# Altium PCB knixx_SW4_00.PcbDoc
Units mm, origin at the board's own origin, x right, y up, seen from the top; angles counter-clockwise.
Board outline 37.47 x 37.34 mm, 4 copper layers (Top Layer, L2, L3, Bottom Layer), stack 1.551 mm thick; 90 components, 65 nets, 319 pads, 111 vias.
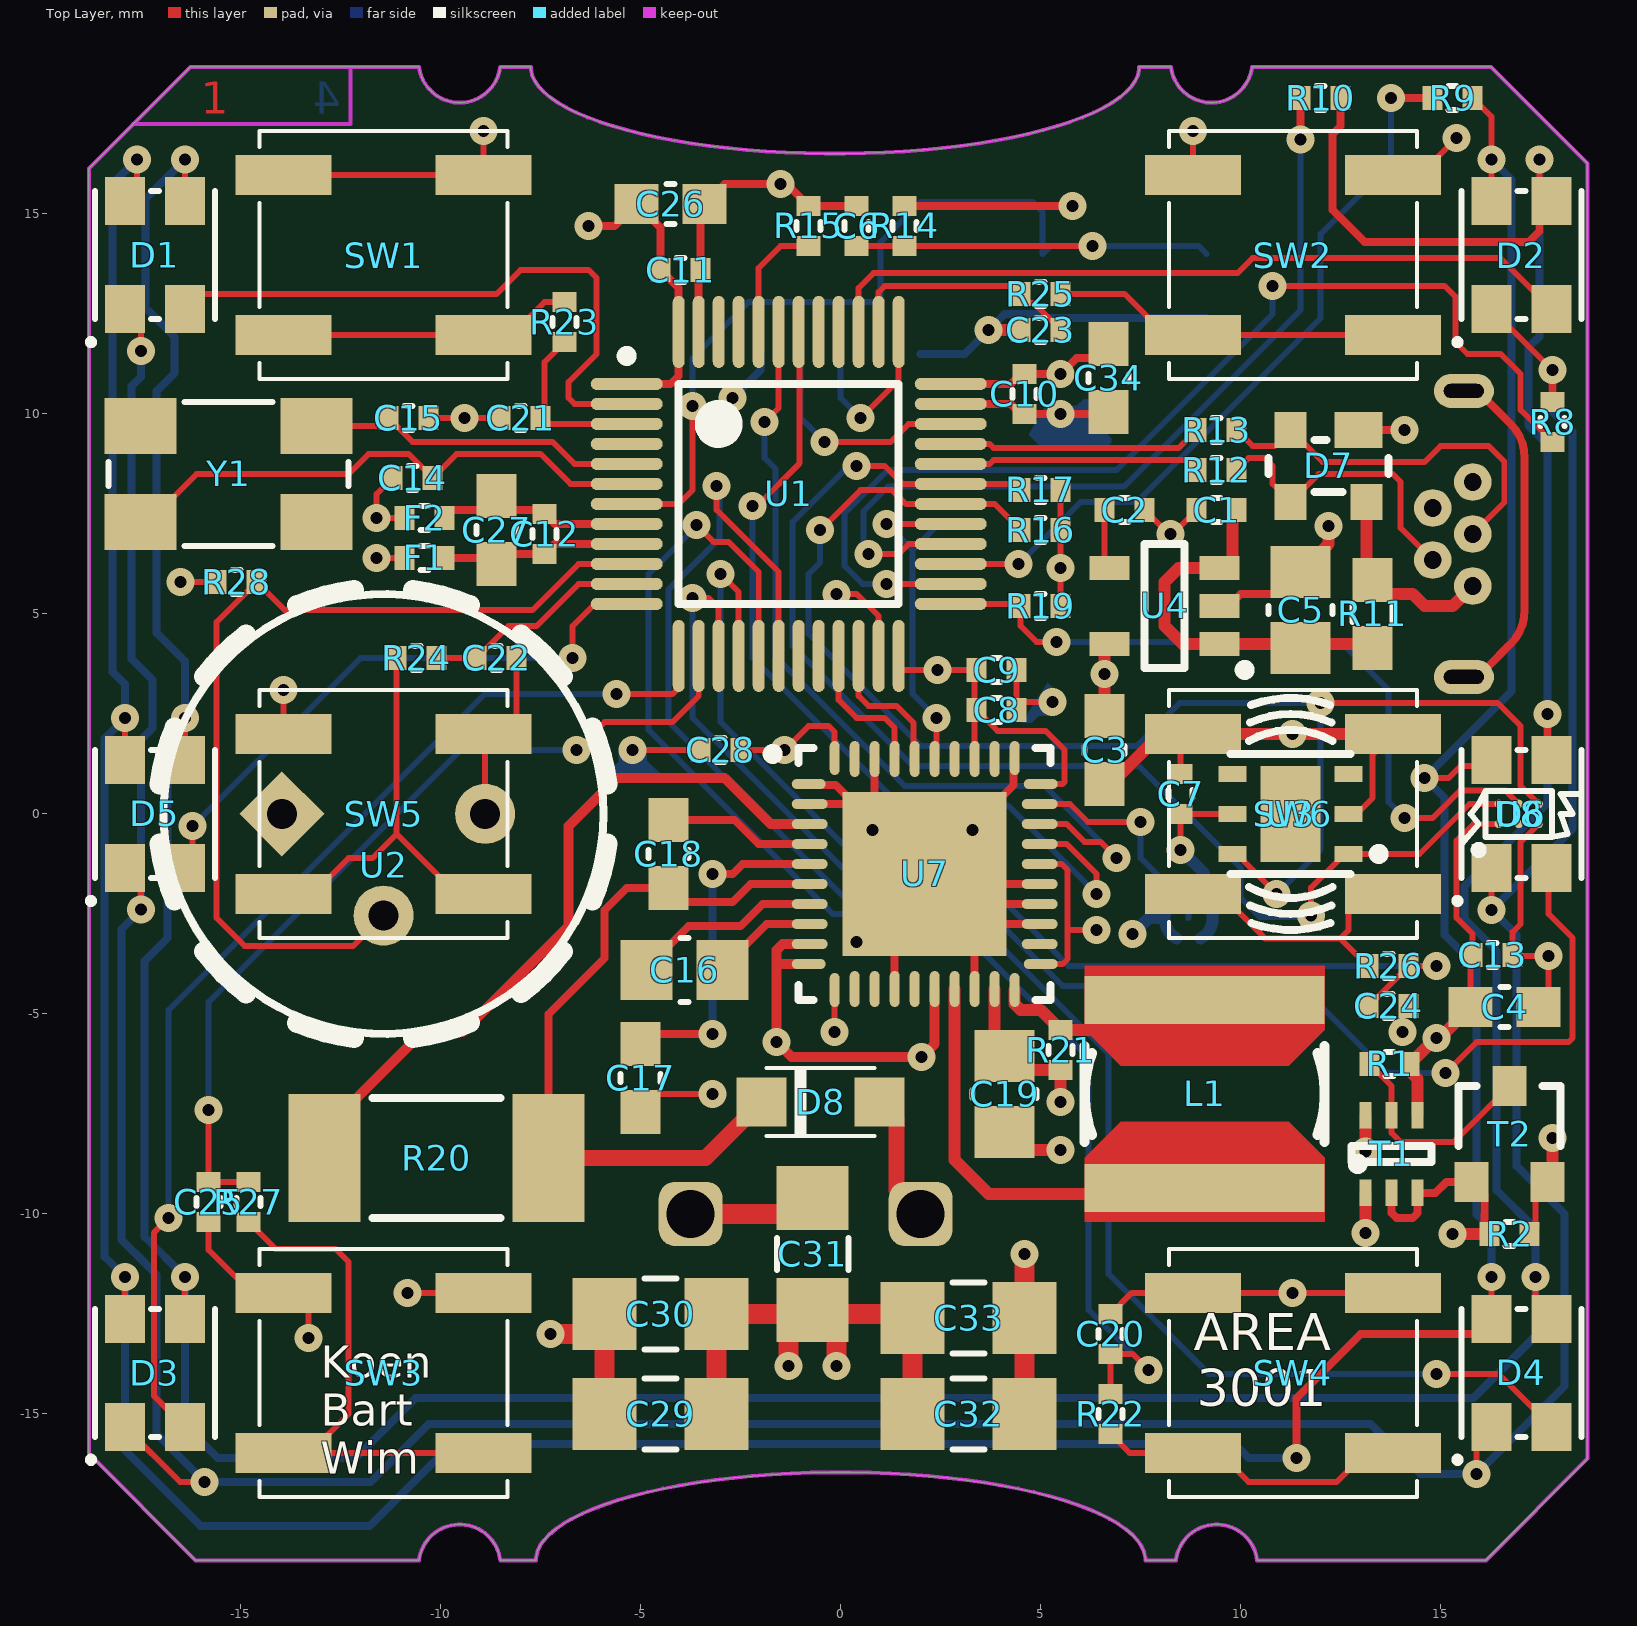
[diagram p0: Top Layer view]
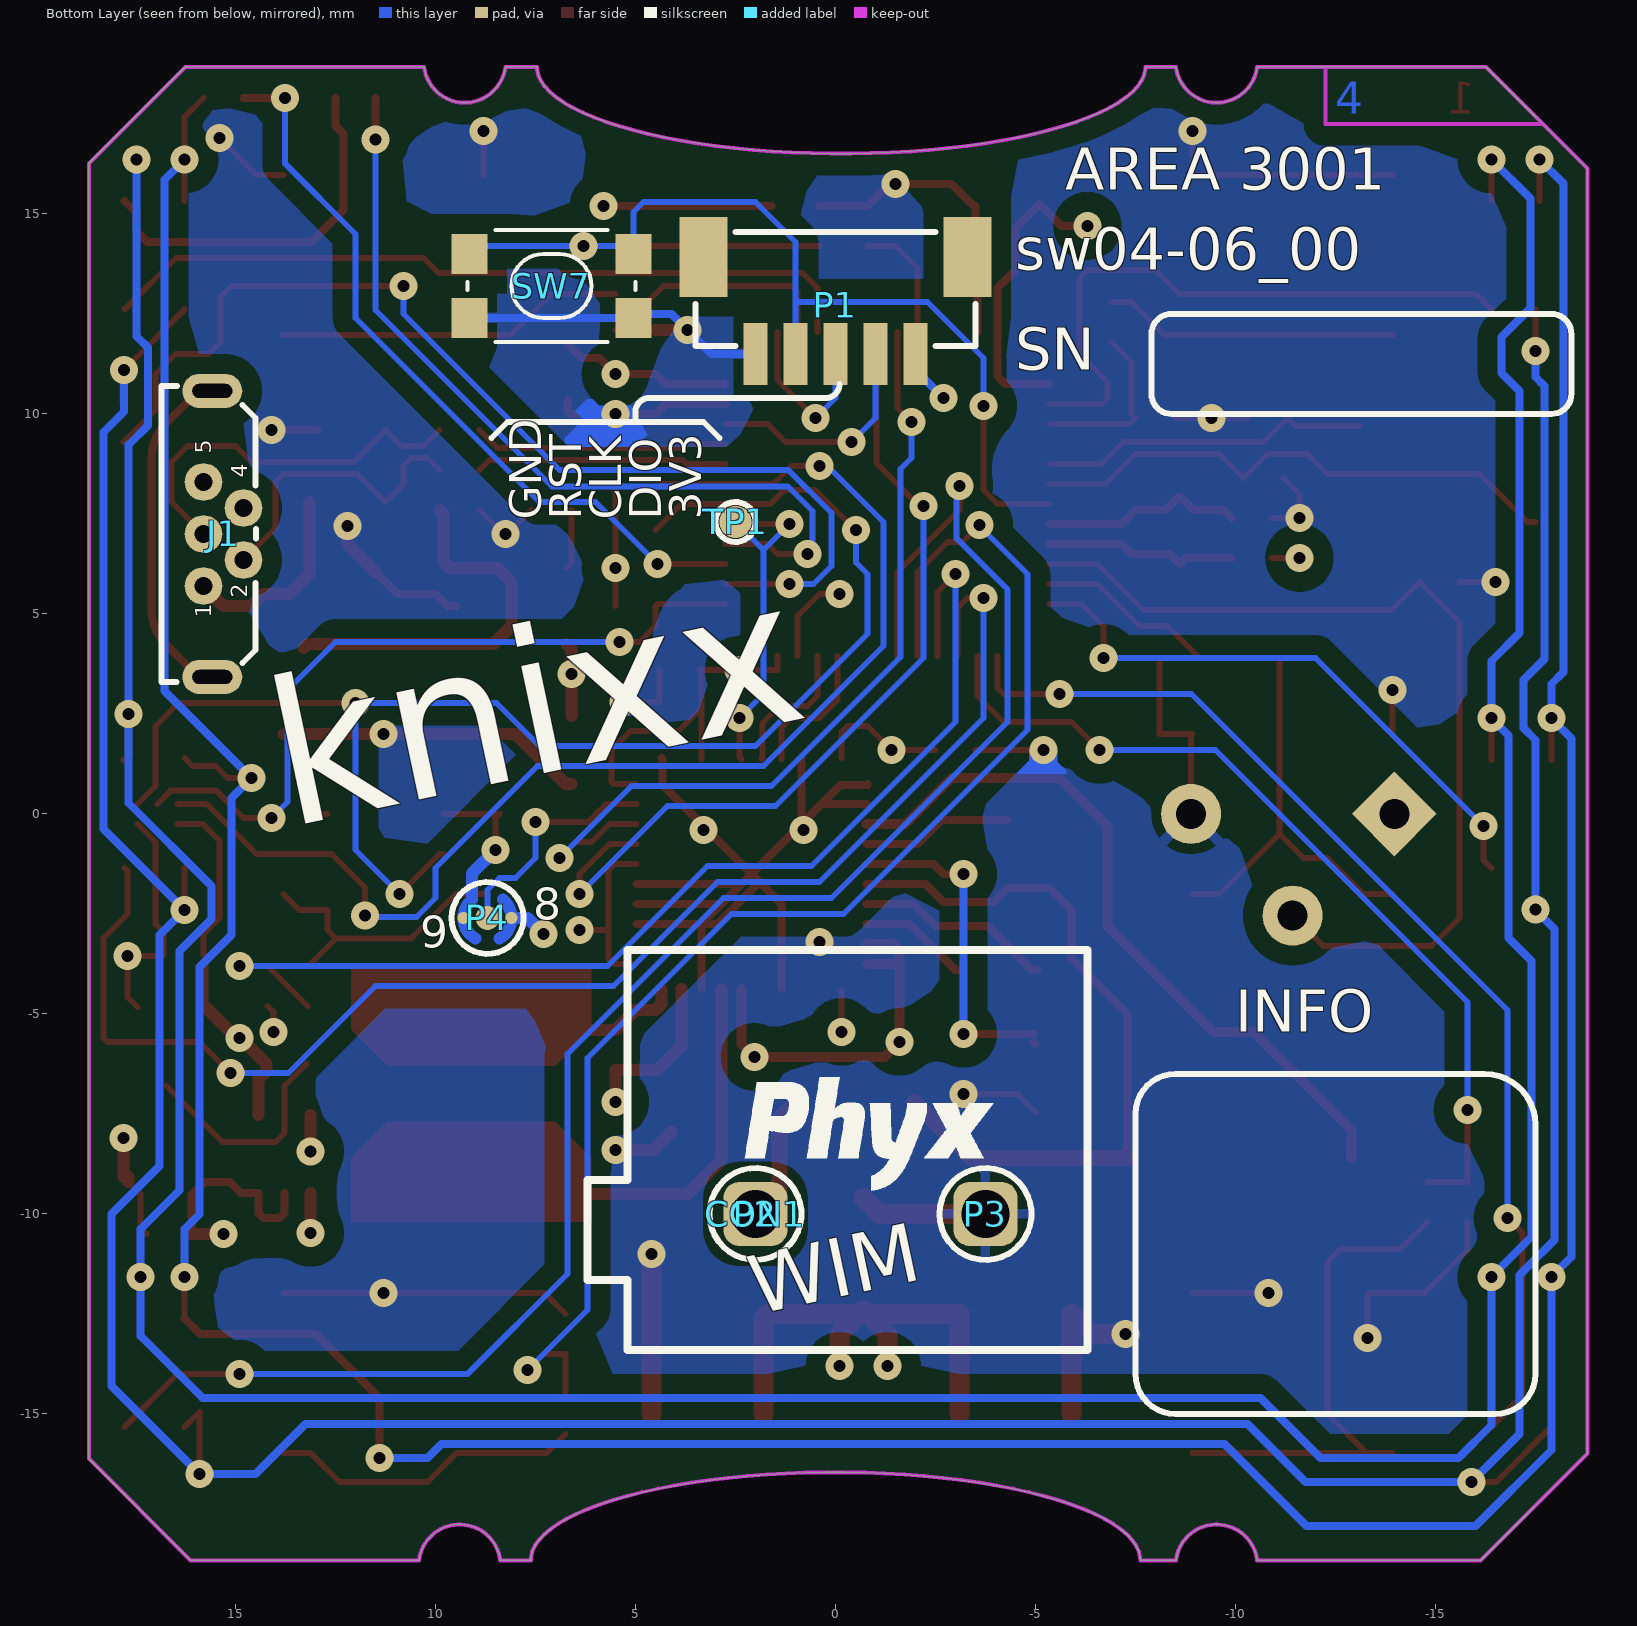
[diagram p1: Bottom Layer view, seen from below]
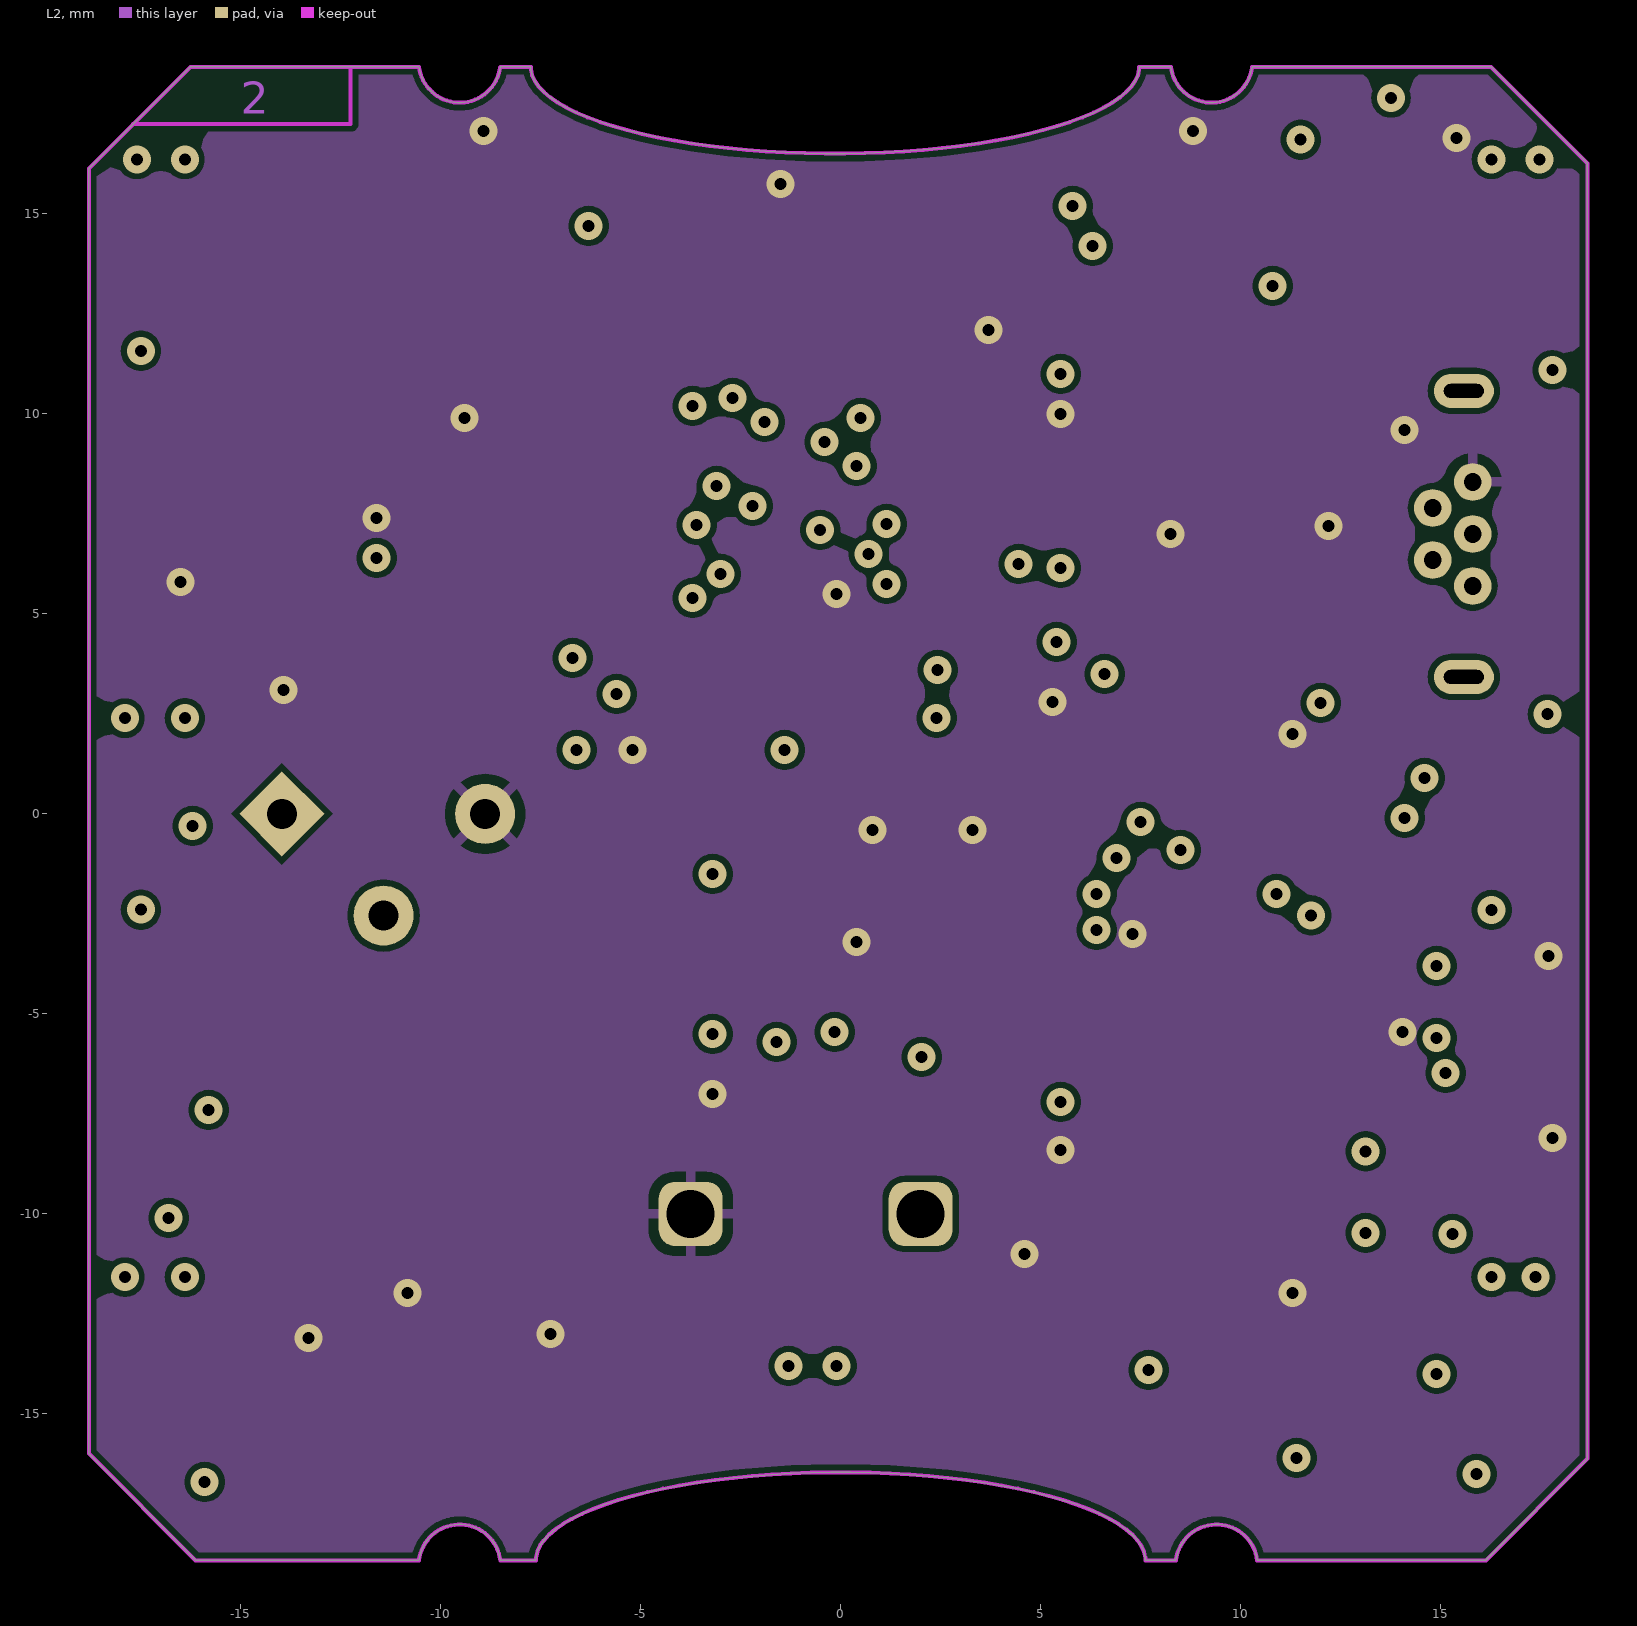
[diagram p2: L2]
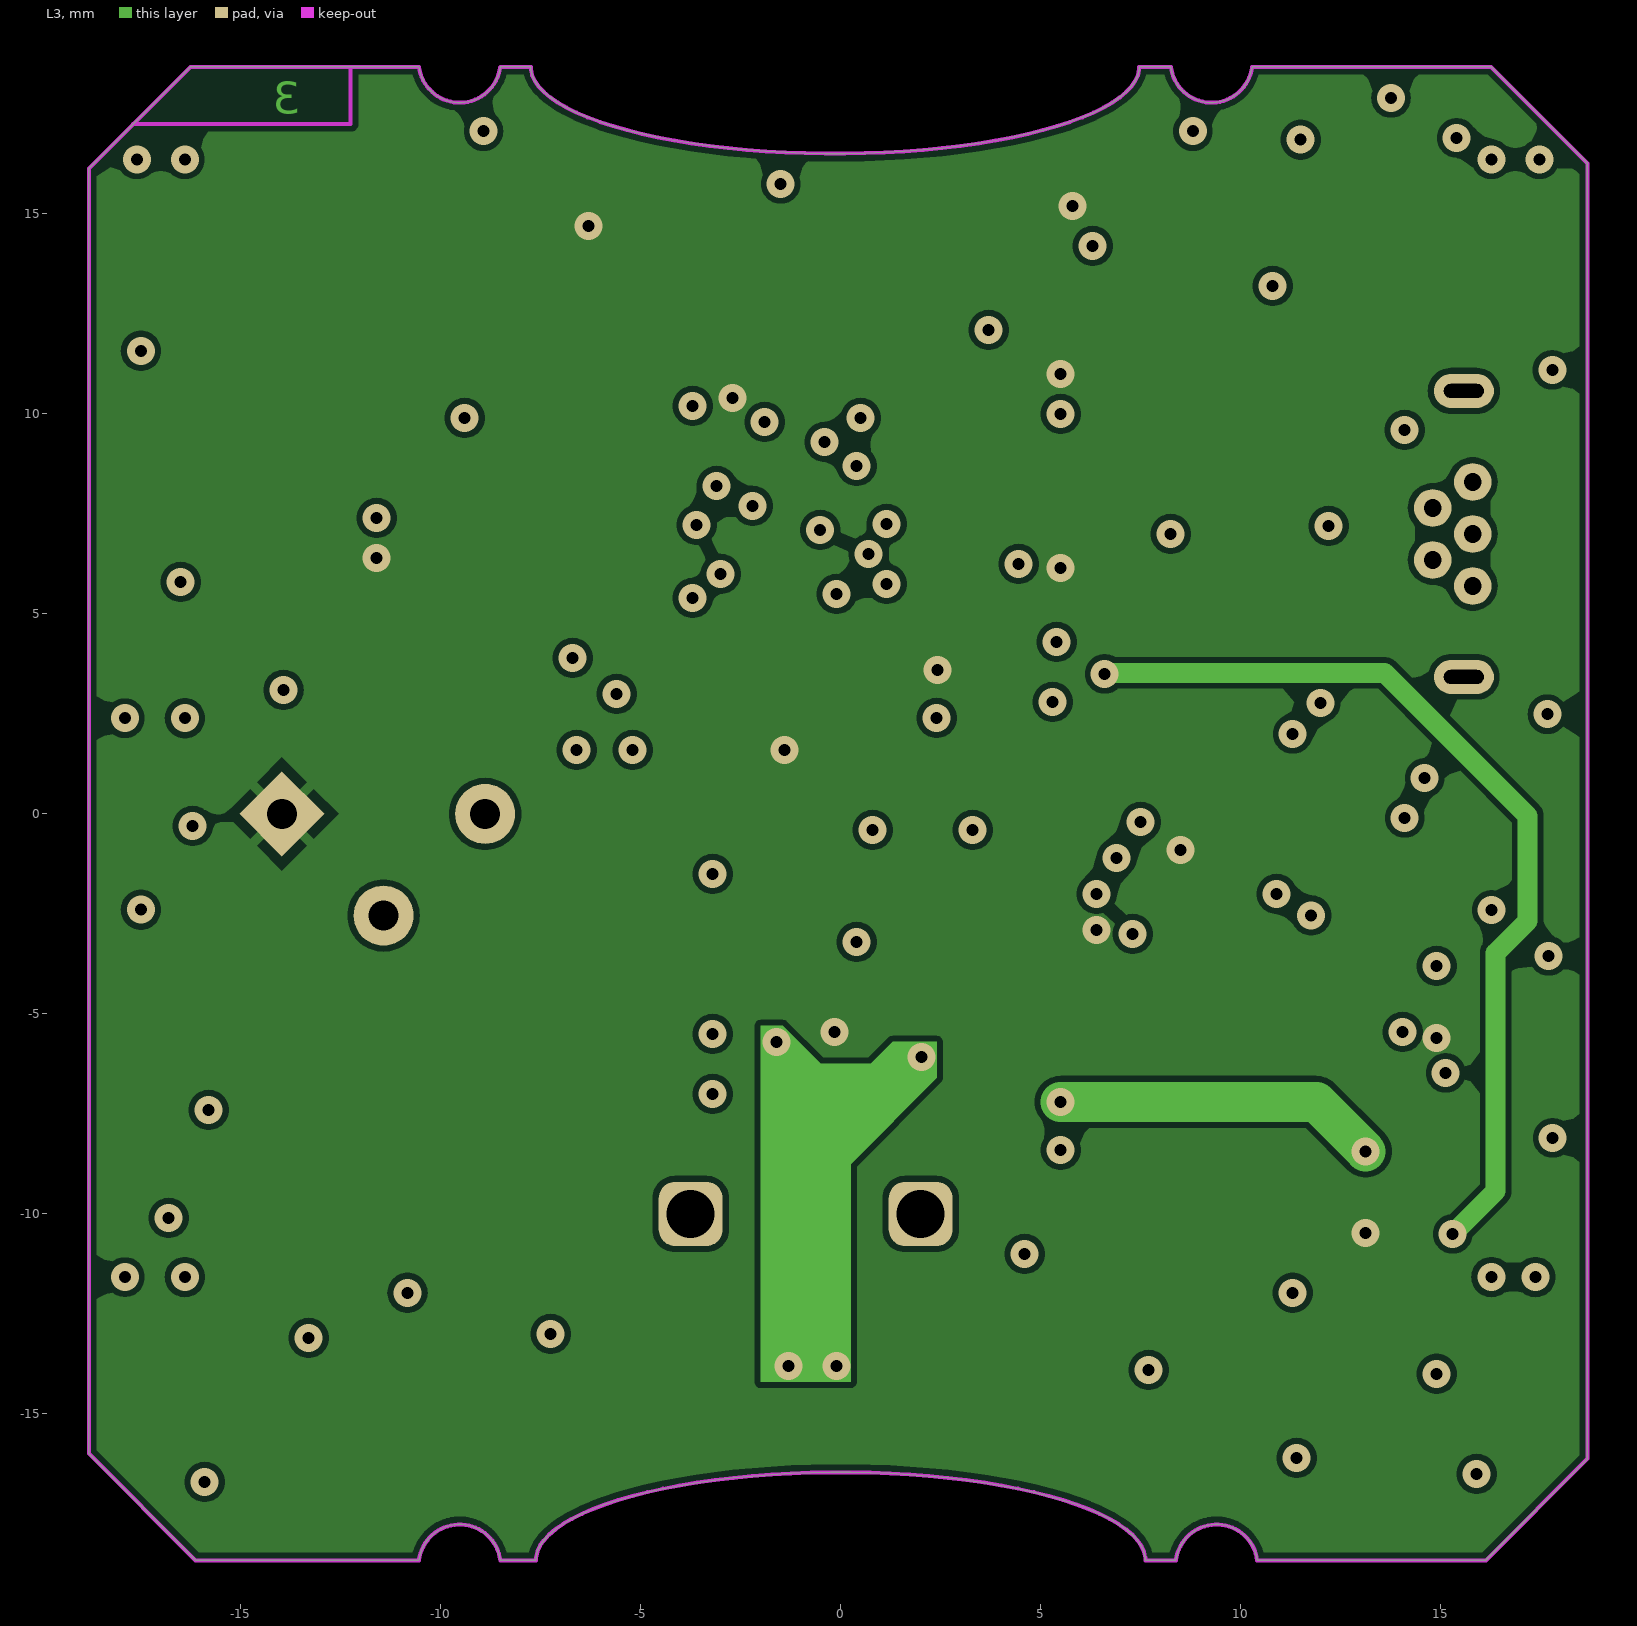
[diagram p3: L3]
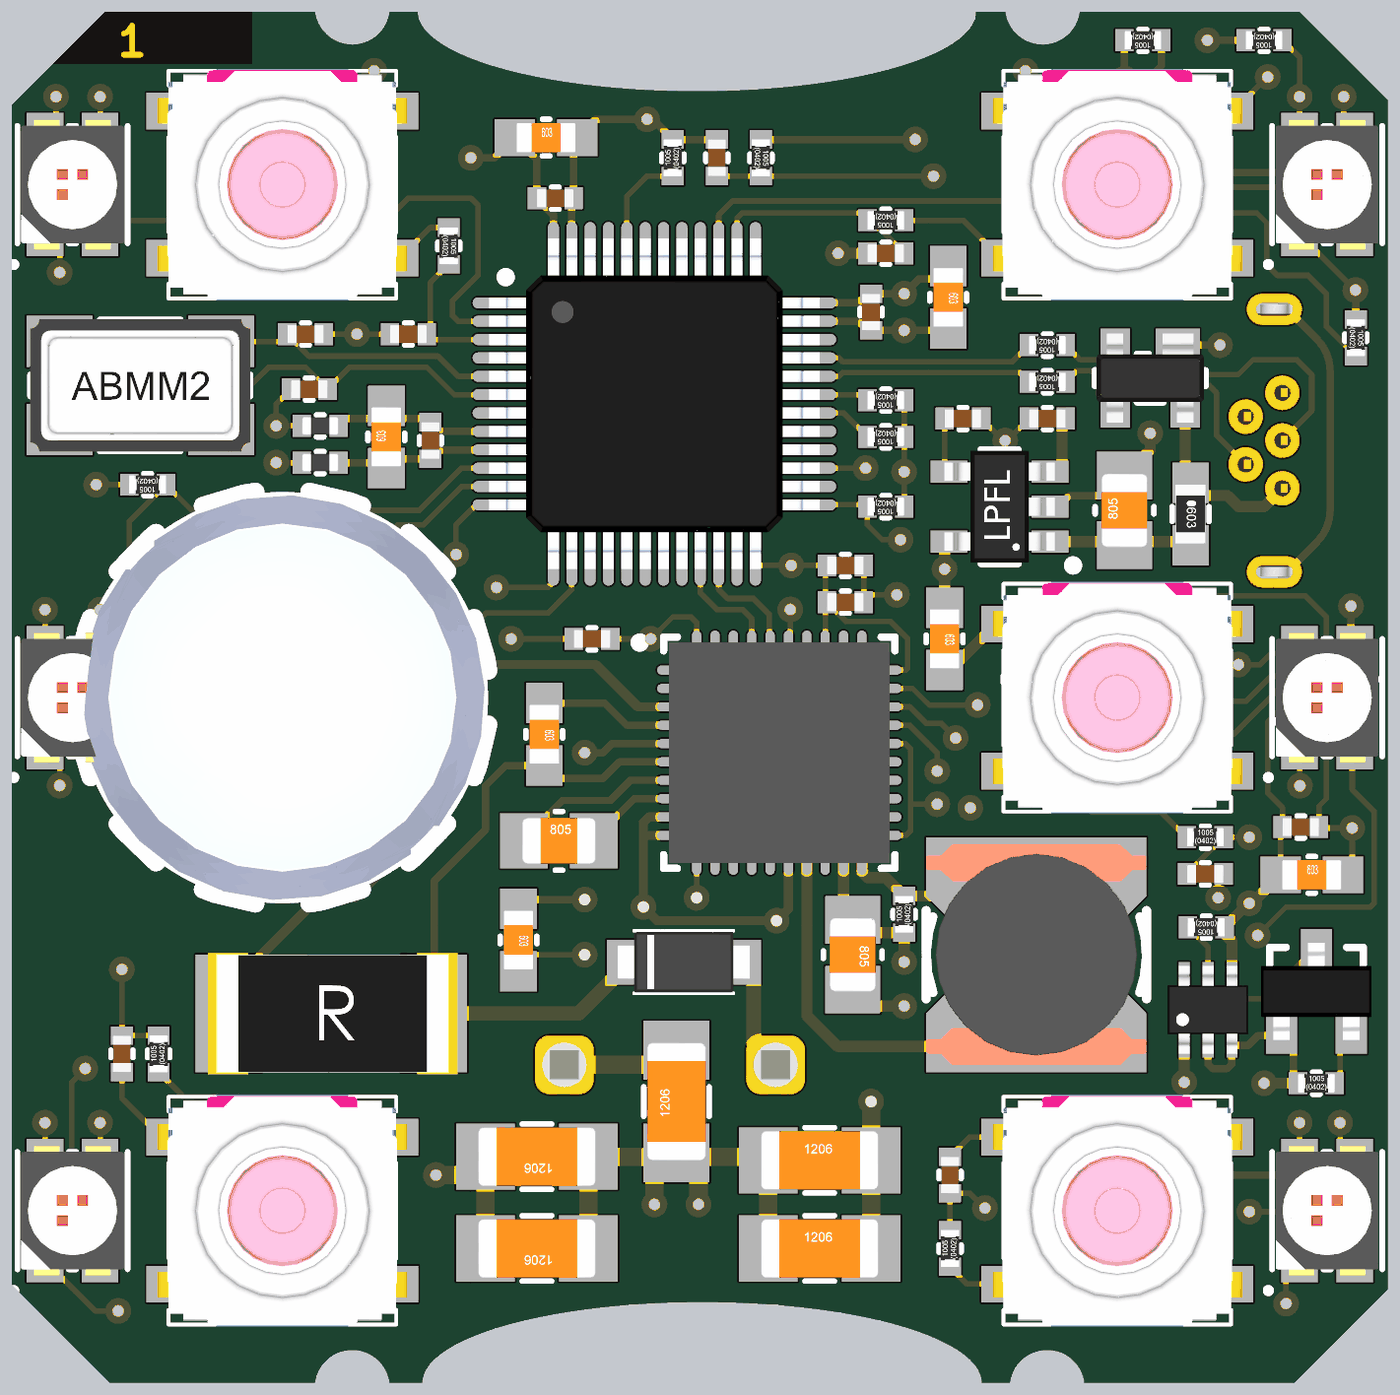
[diagram p4: 3D render of the assembled board from above, using the file's embedded part models]

## Layer stack, top to bottom
Top Solder: solder mask 0.0102, Solder Resist, Dk 3.5
Top Layer: signal copper 0.03
Dielectric1: core 0.35, FR-4, Dk 4.2
L2: signal copper 0.018
Dielectric 3: prepreg 0.8, Dk 4.2
L3: signal copper 0.018
Dielectric 2: core 0.3, FR-4, Dk 4.2
Bottom Layer: signal copper 0.035
Bottom Solder: solder mask 0.0102, Solder Resist, Dk 3.5

## Board outline
-16.131,-18.659 -10.543,-18.659 -10.542,-18.646 -10.525,-18.558 -10.502,-18.472 -10.471,-18.388 -10.432,-18.307 -10.387,-18.23 -10.336,-18.157 -10.278,-18.089 -10.214,-18.027 -10.145,-17.97 -10.072,-17.919 -9.994,-17.875 -9.913,-17.837 -9.829,-17.807 -9.742,-17.785 -9.654,-17.77 -9.565,-17.763 -9.476,-17.763 -9.387,-17.772 -9.299,-17.788 -9.213,-17.811 -9.129,-17.843 -9.049,-17.881 -8.972,-17.926 -8.899,-17.978 -8.831,-18.036 -8.768,-18.099 -8.711,-18.168 -8.66,-18.241 -8.616,-18.319 -8.579,-18.4 -8.549,-18.484 -8.526,-18.571 -8.511,-18.659 -7.622,-18.659 -7.618,-18.587 -7.586,-18.443 -7.521,-18.3 -7.423,-18.159 -7.294,-18.02 -7.134,-17.883 -6.943,-17.75 -6.723,-17.621 -6.473,-17.496 -6.196,-17.376 -5.893,-17.262 -5.564,-17.154 -5.211,-17.052 -4.836,-16.957 -4.441,-16.869 -4.026,-16.789 -3.594,-16.717 -3.147,-16.653 -2.686,-16.598 -2.214,-16.552 -1.733,-16.514 -1.244,-16.486 -0.749,-16.467 -0.252,-16.458 0.247,-16.458 0.745,-16.467 1.239,-16.486 1.728,-16.514 2.21,-16.552 2.682,-16.598 3.143,-16.653 3.59,-16.717 4.022,-16.789 4.436,-16.869 4.832,-16.957 5.207,-17.052 5.559,-17.154 5.888,-17.262 6.192,-17.376 6.469,-17.496 6.718,-17.621 6.938,-17.75 7.129,-17.883 7.29,-18.02 7.419,-18.159 7.516,-18.3 7.581,-18.443 7.614,-18.587 7.618,-18.659 8.38,-18.659 8.381,-18.646 8.398,-18.558 8.421,-18.472 8.452,-18.388 8.491,-18.307 8.536,-18.23 8.587,-18.157 8.645,-18.089 8.709,-18.027 8.778,-17.97 8.851,-17.919 8.929,-17.875 9.01,-17.837 9.094,-17.807 9.181,-17.785 9.269,-17.77 9.358,-17.763 9.447,-17.763 9.536,-17.772 9.624,-17.788 9.71,-17.811 9.794,-17.843 9.874,-17.881 9.951,-17.926 10.024,-17.978 10.092,-18.036 10.155,-18.099 10.212,-18.168 10.263,-18.241 10.307,-18.319 10.344,-18.4 10.374,-18.484 10.397,-18.571 10.412,-18.659 16.127,-18.659 18.667,-16.119 18.667,16.266 16.254,18.679 10.285,18.679 10.283,18.666 10.267,18.578 10.243,18.492 10.212,18.408 10.174,18.327 10.129,18.25 10.077,18.177 10.019,18.109 9.955,18.047 9.887,17.99 9.813,17.939 9.736,17.895 9.654,17.858 9.57,17.828 9.484,17.805 9.396,17.79 9.307,17.783 9.217,17.783 9.128,17.792 9.041,17.808 8.954,17.832 8.871,17.863 8.79,17.901 8.713,17.946 8.64,17.998 8.572,18.056 8.509,18.119 8.452,18.188 8.402,18.262 8.357,18.339 8.32,18.42 8.29,18.505 8.268,18.591 8.253,18.679 7.459,18.679 7.459,18.608 7.427,18.466 7.362,18.326 7.265,18.186 7.136,18.049 6.976,17.915 6.785,17.784 6.565,17.656 6.316,17.533 6.04,17.415 5.737,17.303 5.409,17.196 5.057,17.095 4.682,17.002 4.288,16.915 3.874,16.836 3.443,16.765 2.996,16.703 2.536,16.648 2.065,16.603 1.584,16.566 1.096,16.538 0.603,16.52 0.106,16.51 -0.392,16.51 -0.889,16.52 -1.382,16.538 -1.87,16.566 -2.351,16.603 -2.822,16.648 -3.282,16.703 -3.729,16.765 -4.16,16.836 -4.573,16.915 -4.968,17.002 -5.343,17.095 -5.695,17.196 -6.023,17.303 -6.326,17.415 -6.602,17.533 -6.851,17.656 -7.071,17.784 -7.262,17.915 -7.422,18.049 -7.551,18.186 -7.648,18.326 -7.713,18.466 -7.745,18.608 -7.749,18.679 -8.511,18.679 -8.513,18.666 -8.529,18.578 -8.553,18.492 -8.584,18.408 -8.622,18.327 -8.667,18.25 -8.719,18.177 -8.777,18.109 -8.841,18.047 -8.909,17.99 -8.983,17.939 -9.06,17.895 -9.142,17.858 -9.226,17.828 -9.312,17.805 -9.4,17.79 -9.489,17.783 -9.579,17.783 -9.668,17.792 -9.755,17.808 -9.842,17.832 -9.925,17.863 -10.006,17.901 -10.083,17.946 -10.156,17.998 -10.224,18.056 -10.287,18.119 -10.344,18.188 -10.394,18.262 -10.439,18.339 -10.476,18.42 -10.506,18.505 -10.528,18.591 -10.543,18.679 -16.258,18.679 -18.798,16.139 -18.798,-15.992

## Design rules (kind name [scope] priority, off if disabled: settings)
Clearance Clearance_T_B [(OnLayer('Top Layer') OR OnLayer('Bottom Layer')) AND InPolygon] p1: gap=0.5
Clearance [All] p2: gap=0.15
DiffPairsRouting [All] p1: maxlimit=0.15 minlimit=0.15 mostfreqgap=0.15 toplayer_minwidth=0.15 toplayer_maxwidth=0.15 toplayer_prefwidth=0.15 midlayer1_minwidth=0.15 midlayer1_maxwidth=0.15 midlayer1_prefwidth=0.15 midlayer2_minwidth=0.15 midlayer2_maxwidth=0.15 midlayer2_prefwidth=0.15 bottomlayer_minwidth=0.15 bottomlayer_maxwidth=0.15 bottomlayer_prefwidth=0.15 maxuncoupledlength=2
HoleSize [All] p1: absolutevalues=TRUE maxlimit=4 minlimit=0.025 maxpercent=80.000 minpercent=20.000
MinimumSolderMaskSliver [All] p1: minsoldermaskwidth=0.1
PolygonConnect PolygonConnect_Via [IsVia] p1: connectstyle=Direct reliefconductorwidth=0.254 reliefentries=4 polygonreliefangle="90 Angle" airgapwidth=0.254
PolygonConnect PolygonConnect_TIO [All vs OnLayer('Top Layer') OR OnLayer('Bottom Layer')] p2: connectstyle=Relief reliefconductorwidth=0.25 reliefentries=4 polygonreliefangle="90 Angle" airgapwidth=0.25
PolygonConnect [All] p3: connectstyle=Relief reliefconductorwidth=0.25 reliefentries=4 polygonreliefangle="90 Angle" airgapwidth=0.25
RoutingVias [All] p1: holewidth=0.3 width=0.7 viastyle="Through Hole" minholewidth=0.3 minwidth=0.7 maxholewidth=0.3 maxwidth=0.7
SilkToSolderMaskClearance SilkscreenOverComponentPads [IsPad] p1: minsilkscreentomaskgap=0.254 clearancetoexposedcopper=TRUE
SolderMaskExpansion SolderMaskExpansion_VIA [IsVia] p1: expansion=0 useseparateexpansions=TRUE expansionbottom=0.15
SolderMaskExpansion [All] p2: expansion=0.05
Width [All] p1: maxlimit=2 minlimit=0.15 preferedwidth=0.5 minimp=50.000000 maximp=50.000000 favimp=50.000000
26 further rules are at their usual default settings.

## Classes and differential pairs
net class POWER: 3V3 3V3_USB 3V3A 5V AGND GND NetL1_2 VUSB
net class 90r: USB.D_N USB.D_P
differential pair USB.D: +USB.D_P -USB.D_N

## Components (designator, comment, footprint, x,y, rotation, side; value= is the part's Value field where it differs from the comment)
C1 "CAP_CERAMIC" C0402 9.4,7.6 r180 top
C2 "CAP_CERAMIC" C0402 7.1,7.6 r0 top
C3 "CAP_CERAMIC" C0603_N 6.6,1.6 r270 top
C4 "CAP_CERAMIC" C0603_N 16.6,-4.825 r0 top
C5 "CAP_CERAMIC" C0805_N 11.5,5.1 r90 top
C6 "CAP_CERAMIC" C0402 0.4,14.7 r90 top
C7 "CAP_CERAMIC" C0402 8.5,0.5 r90 top
C8 "CAP_CERAMIC" C0402 3.9,2.6 r0 top
C9 "CAP_CERAMIC" C0402 3.9,3.6 r0 top
C10 "CAP_CERAMIC" C0402 4.6,10.5 r270 top
C11 "CAP_CERAMIC" C0402 -4,13.6 r0 top
C12 "CAP_CERAMIC" C0402 -7.4,7 r90 top
C13 "CAP_CERAMIC" C0402 16.3,-3.525 r0 top
C14 "CAP_CERAMIC" C0402 -10.7,8.4 r180 top
C15 "CAP_CERAMIC" C0402 -10.8,9.9 r0 top
C16 "CAP_CERAMIC" C0805_N -3.9,-3.9 r0 top
C17 "CAP_CERAMIC" C0603_N -5,-6.6 r270 top
C18 "CAP_CERAMIC" C0603_N -4.3,-1 r270 top
C19 "CAP_CERAMIC" C0805_N 4.1,-7 r270 top
C20 "CAP_CERAMIC" C0402 6.75,-13 r90 top
C21 "CAP_CERAMIC" C0402 -8,9.9 r180 top
C22 "CAP_CERAMIC" C0402 -8.6,3.9 r0 top
C23 "CAP_CERAMIC" C0402 5,12.1 r180 top
C24 "CAP_CERAMIC" C0402 13.7,-4.8 r0 top
C25 "CAP_CERAMIC" C0402 -15.8,-9.7 r270 top
C26 "CAP_CERAMIC" C0603_N -4.25,15.25 r0 top
C27 "CAP_CERAMIC" C0603_N -8.6,7.1 r90 top
C28 "CAP_CERAMIC" C0402 -3,1.6 r180 top
C29 "CAP_CERAMIC" C1206_N -4.5,-15 r180 top
C30 "CAP_CERAMIC" C1206_N -4.5,-12.5 r180 top
C31 "CAP_CERAMIC" C1206_N -0.7,-11 r90 top
C32 "CAP_CERAMIC" C1206_N 3.2,-15 r0 top
C33 "CAP_CERAMIC" C1206_N 3.2,-12.6 r0 top
C34 "CAP_CERAMIC" C0603_N 6.7,10.9 r270 top
CON1 "CONNECTOR FOR EIB APPLICATIONS PUSH-WIRE® CONNECTION" WAGO_243-211 2,-10 r180 bottom locked
D1 "PLCC2 general purpose RGB LED Cree CLV1A-FKB" CREE_CLV1A-FKB -17.145,13.97 r90 top locked
D2 "PLCC2 general purpose RGB LED Cree CLV1A-FKB" CREE_CLV1A-FKB 17.018,13.97 r90 top locked
D3 "PLCC2 general purpose RGB LED Cree CLV1A-FKB" CREE_CLV1A-FKB -17.145,-13.97 r90 top locked
D4 "PLCC2 general purpose RGB LED Cree CLV1A-FKB" CREE_CLV1A-FKB 17.018,-13.97 r90 top locked
D5 "PLCC2 general purpose RGB LED Cree CLV1A-FKB" CREE_CLV1A-FKB -17.145,0 r90 top locked
D6 "PLCC2 general purpose RGB LED Cree CLV1A-FKB" CREE_CLV1A-FKB 17.018,0 r90 top locked
D7 "Low Capacitanse TVS Diode array" SOT-143 12.2,8.7 r180 top
D8 "NTS260SFT1G  Schottky Rectifier, Single, 60 V, 2 A, SOD-123, 650 mV" ON_SOD-123FL -0.5,-7.2 r0 top
F1 "BLM15AX102SN1D" L0402 -10.4,6.4 r180 top
F2 "BLM15AX102SN1D" L0402 -10.4,7.4 r180 top
J1 "Vertical Micro USB B 614105150721" WE_614105150721 15.3,7 r90 bottom
L1 "220µH INDUCTOR" IND_6045 9.1,-7 r90 top
P1 "Header 1.0mm Shrouded 5" WE_665305124022 2,11.5 r0 bottom
P2 "SOLDER PIN FOR PCBS UP TO 2 MM" WAGO_243-131 2,-10 r180 bottom locked
P3 "SOLDER PIN FOR PCBS UP TO 2 MM" WAGO_243-131 -3.75,-10 r180 bottom locked
P4 "3 pin Solder SW Circular 1mm" SOLDER_SW_C_1MM_3 8.7,-2.6 r90 bottom
R1 "RESISTOR" R0402 13.725,-6.25 r180 top
R2 "RESISTOR" R0402 16.725,-10.5 r0 top
R8 "RESISTOR" R0402 17.8,9.8 r270 top
R9 "RESISTOR" R0402 15.3,17.9 r180 top
R10 "RESISTOR" R0402 12,17.9 r180 top
R11 "RESISTOR" R0603_N 13.3,5 r270 top
R12 "RESISTOR" R0402 9.4,8.6 r180 top
R13 "RESISTOR" R0402 9.4,9.6 r180 top
R14 "RESISTOR" R0402 1.6,14.7 r270 top
R15 "RESISTOR" R0402 -0.8,14.7 r90 top
R16 "RESISTOR" R0402 5,7.1 r180 top
R17 "RESISTOR" R0402 5,8.1 r180 top
R19 "RESISTOR" R0402 5,5.2 r180 top
R20 "RESISTOR" R2512 -10.1,-8.6 r0 top
R21 "RESISTOR" R0402 5.5,-5.9 r90 top
R22 "RESISTOR" R0402 6.75,-15 r90 top
R23 "RESISTOR" R0402 -6.9,12.3 r270 top
R24 "RESISTOR" R0402 -10.6,3.9 r0 top
R25 "RESISTOR" R0402 5,13 r180 top
R26 "RESISTOR" R0402 13.7,-3.8 r0 top
R27 "RESISTOR" R0402 -14.8,-9.7 r90 top
R28 "RESISTOR" R0402 -15.1,5.8 r180 top
SW1 "Sealed Tact Switch for SMT 6,2x6,2x7,7" CK_KSC6XXJ -11.43,13.97 r0 top locked
SW2 "Sealed Tact Switch for SMT 6,2x6,2x7,7" CK_KSC6XXJ 11.303,13.97 r0 top locked
SW3 "Sealed Tact Switch for SMT 6,2x6,2x7,7" CK_KSC6XXJ -11.43,-13.97 r0 top locked
SW4 "Sealed Tact Switch for SMT 6,2x6,2x7,7" CK_KSC6XXJ 11.303,-13.97 r0 top locked
SW5 "Sealed Tact Switch for SMT 6,2x6,2x7,7" CK_KSC6xxJ -11.43,0 r0 top locked
SW6 "Sealed Tact Switch for SMT 6,2x6,2x7,7" CK_KSC6xxJ 11.303,0 r0 top locked
SW7 "LP SMD tact sw" CK_KMR4 7.1,13.2 r0 bottom
T1 "0.8A Dual P-Ch MOSGET Vgs -1.2" SOT-363 13.775,-8.5 r90 top
T2 "0.2A N-Ch MOSFET Vgs 3.2" SOT23-3 16.725,-8 r0 top
TP1 "TEST_PAD" TP_0.8mm 2.5,7.3 r90 bottom
U1 "Entry-level ARM Cortex-M0 Value line MCU with up to 32 Kbytes Flash, 48 MHz CPU, USB" STM_LQFP48_N -1.3,8 r0 top locked
U2 "PIR 5m White" PAN_EKMC1601111 -11.43,0 r45 top locked
U3 "Sensirion SHT20 temperature and humidity sensor I2C" SNS_DFN6 11.25,0 r180 top
U4 "3V3 100mA Ultra Low Noise LDO" TI_DBV_R-PDSO-G5 8.1,5.2 r180 top
U7 "KNX Transceiver for Twisted Pair Networks" ONS_QFN40_6x6 2.1,-1.5 r0 top
U8 "TSL2584TSV Light-to-Digital Device" AMS_6TSV 16.95,0 r0 top
Y1 "12MHZ ABMM2" ABMM2 -15.3,8.5 r0 top
